# Altium PCB 10515.0462_全联供主板(2拼版)_V1.0.PcbDoc (part 8 of 18)
Units mm, origin at the board's own origin, x right, y up, seen from the top; angles counter-clockwise.
Board outline 282 x 198 mm, 2 copper layers (Top Layer, Bottom Layer); 716 components, 0 nets, 2364 pads, 1800 vias.
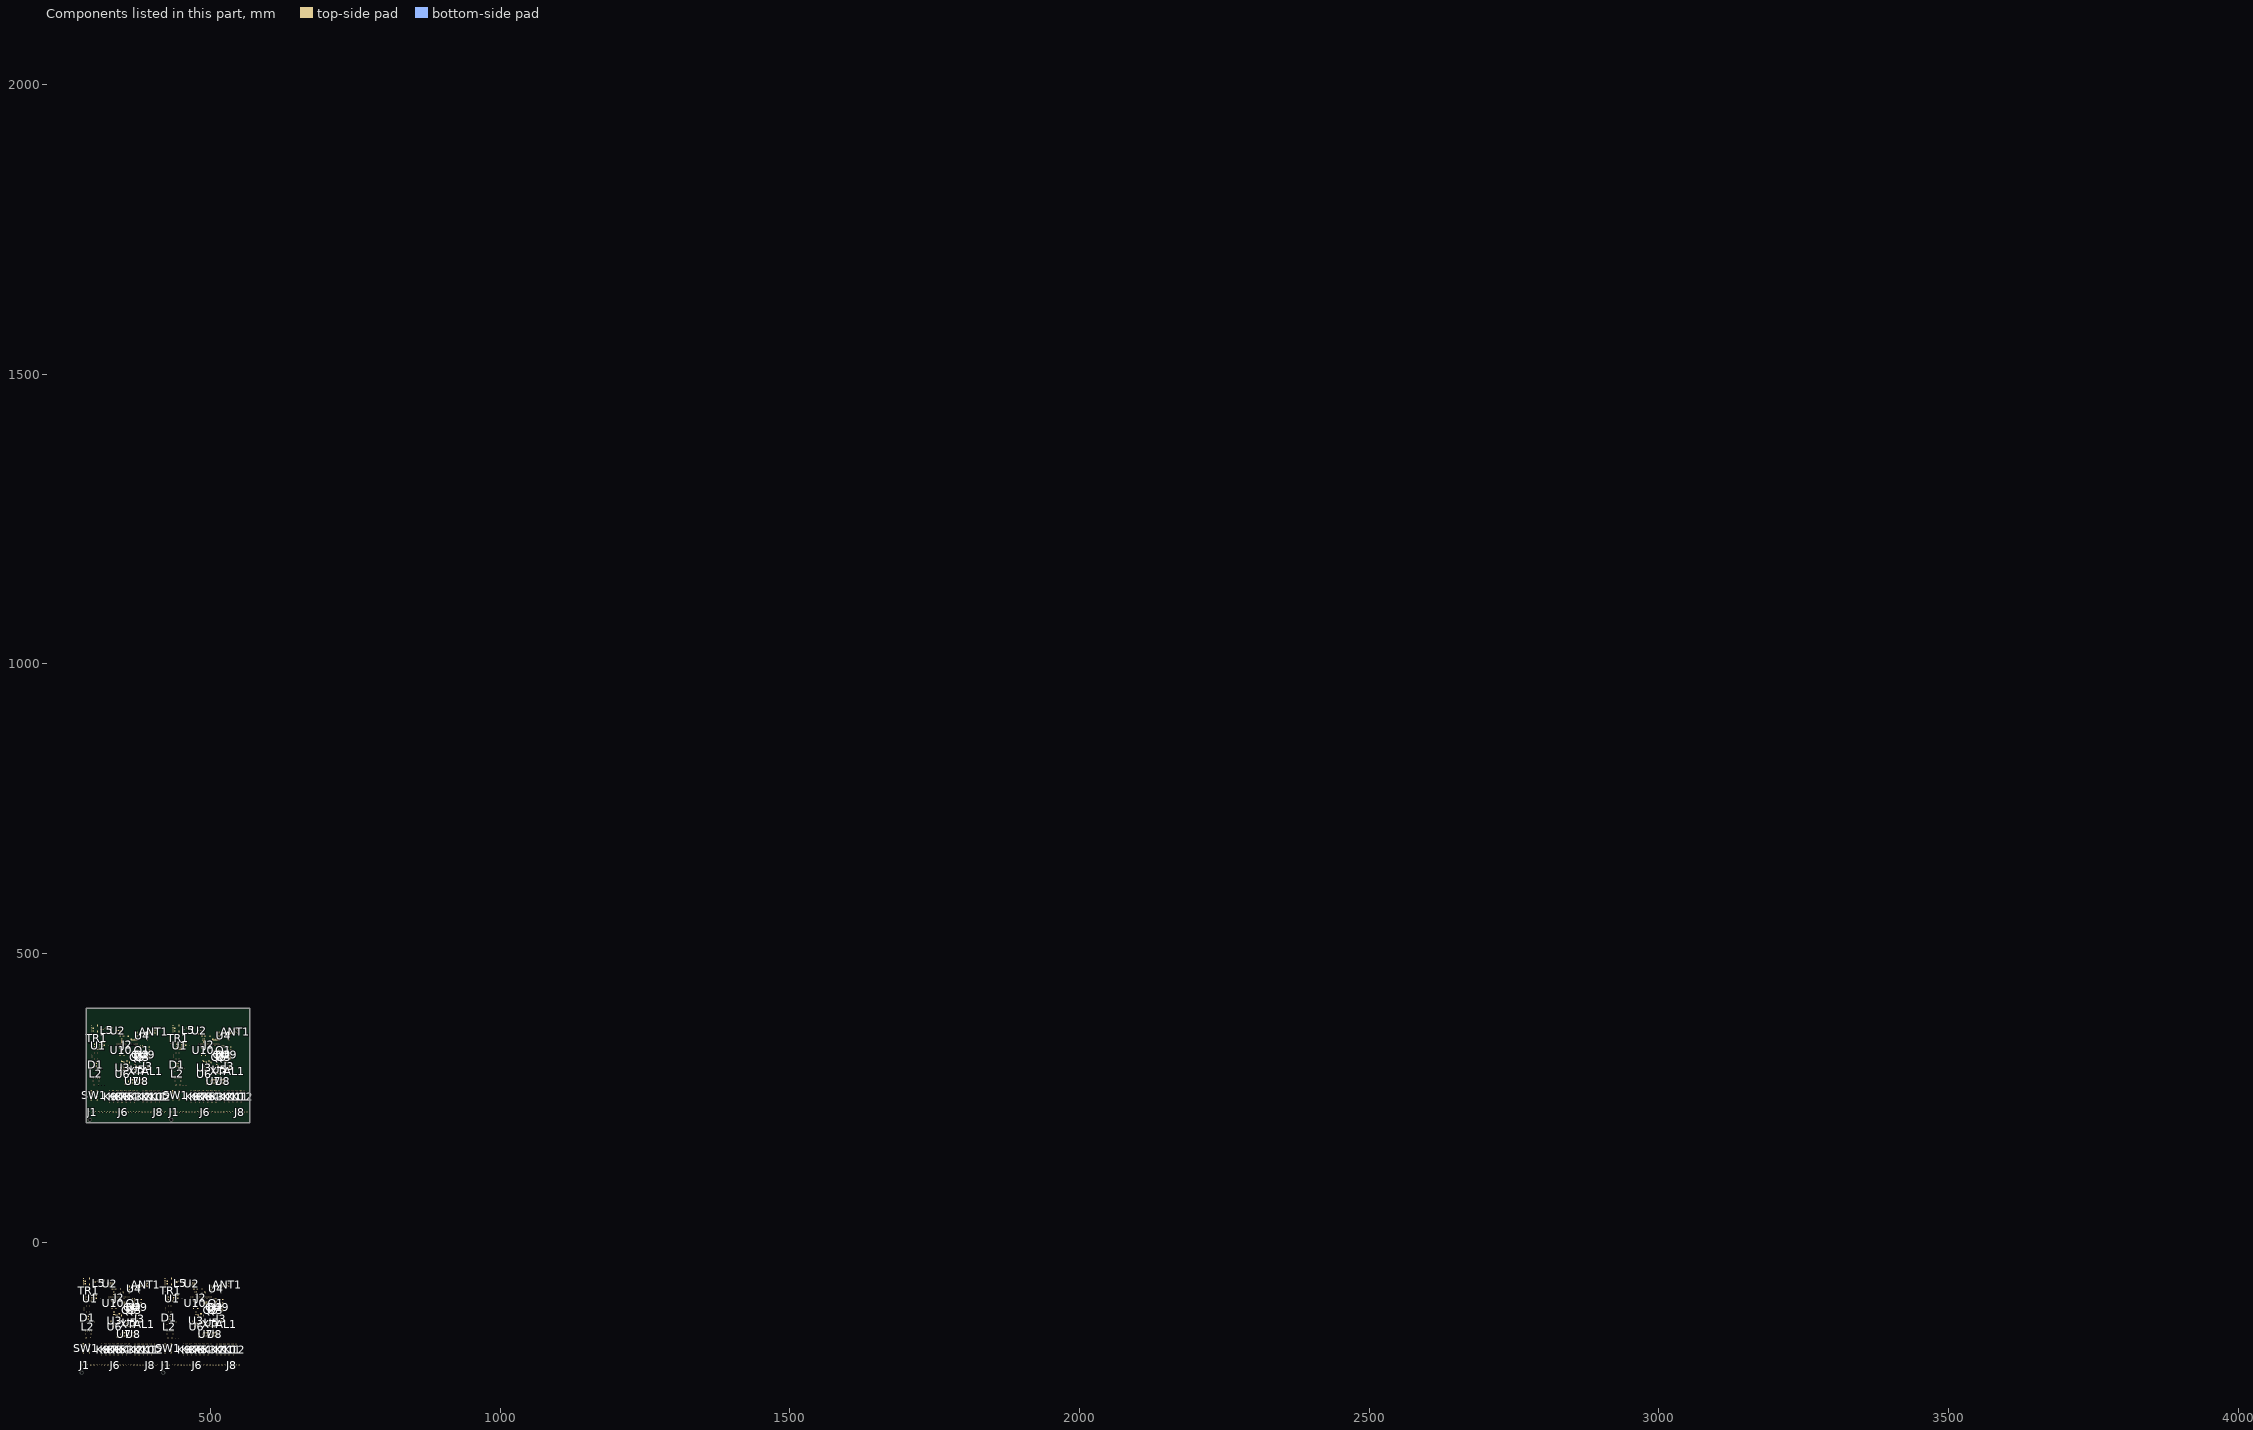
[diagram p8: the components of this part, seen from the top]

## Via types
v1: diameter 0.7, hole 0.4, Top Layer to Bottom Layer, tented both sides, 1800 vias

## Nets (pads, with @x,y where several pads share a name; then routed paths per layer and width w, separated by ;. In a path a pad name is that pad's centre, name@x,y a point inside that pad or via, vN(x,y) a via of type N, cw(c..) or ccw(c..) an arc to the next point about the centre after c; other vN are vias at no path point) (continued)
copper on no net: (continued)
  Top Layer w0.45: 524.977,-73.768 cw(c523.631,-72.858) v1@523.631,-74.482 ; 525.138,-173.772 cw(c526.042,-172.764) 524.687,-172.764 ; 525.228,320.25 cw(c524.918,319.941) 525.356,319.941 cw(c525.794,319.941) 525.484,320.25 ; 525.228,326.817 ccw(c524.918,327.127) 525.356,327.127 ccw(c525.794,327.127) 525.484,326.817 ; 525.349,-74.944 ccw(c524.479,-75.533) 524.479,-74.482 ccw(c524.479,-73.431) 525.349,-74.02 ; 525.917,-74.482 v1@523.631,-74.482 ; 525.991,297.303 527.608,297.303 527.999,297.693 527.999,299.132 528.448,299.582 ; 526.119,297.174 cw(c526.429,296.865) 526.429,297.303 cw(c526.429,297.741) 526.119,297.431 ; 526.512,297.303 ccw(c526.512,299.055) 527.751,297.816 ; 527.297,338.398 ccw(c527.297,340.869) 529.043,339.122 ; 527.742,-72.773 ccw(c525.736,-74.779) 525.736,-71.942 ccw(c525.736,-69.105) 527.742,-71.111 ; 527.751,294.821 cw(c526.786,293.855) 528.151,293.855 ; 527.751,298.066 ccw(c527.154,298.663) 527.999,298.663 ccw(c528.844,298.663) 528.246,298.066 ; 527.999,295.193 528.151,295.041 528.151,293.325 528.151,292.539 528.337,292.352 531.071,292.352 531.452,292.733 531.452,296.963 v1(531.418,296.996) 530.721,297.693 ; 527.999,298.151 cw(c529.842,298.151) 528.539,299.454 ; 527.999,298.973 cw(c528.427,298.973) 528.415,299.401 ; 527.999,299.237 cw(c528.755,299.237) 528.22,299.772 ; 528.023,293.197 cw(c527.713,292.887) 528.151,292.887 cw(c528.589,292.887) 528.279,293.197 ; 528.023,293.454 ccw(c527.713,293.763) 528.151,293.763 ccw(c528.589,293.763) 528.279,293.454 ; 528.06,-72.455 ccw(c526.822,-73.692) 526.822,-71.942 ccw(c526.822,-70.192) 528.06,-71.429 ; 528.074,299.207 ccw(c527.699,299.582) 528.229,299.582 ; v1(528.226,326.19) 529.082,326.19 ; 528.383,338.398 ccw(c528.383,339.782) 529.362,338.804 ; 528.523,338.398 cw(c528.523,337.663) 529.043,338.183 ; 528.751,303.075 ccw(c528.441,303.385) 528.879,303.385 ccw(c529.317,303.385) 529.008,303.075 ; 528.879,302.947 528.879,303.602 529.259,303.981 531.291,303.981 532.144,304.834 532.144,305.31 ; 528.954,326.061 ccw(c528.644,325.752) 528.644,326.19 ccw(c528.644,326.628) 528.954,326.318 ; 529.082,326.317 529.437,325.961 v1(533.513,325.961) v1@533.64,325.961 ; 529.21,326.28 ccw(c529.98,327.049) 529.98,325.961 ; 529.424,332.983 cw(c528.291,331.849) 529.894,331.849 cw(c531.497,331.849) 530.363,332.983 ; 529.443,333.94 ccw(c528.493,334.969) v1(529.894,334.969) ccw(c531.295,334.969) 530.344,333.94 ; 529.674,293.454 ccw(c529.364,293.763) 529.802,293.763 ccw(c530.24,293.763) 529.93,293.454 ; 529.751,298.066 ccw(c529.154,298.663) 529.999,298.663 ccw(c530.844,298.663) 530.246,298.066 ; 529.802,293.325 529.802,294.997 529.999,295.193 ; 529.802,293.749 cw(c531.318,293.749) 530.246,294.821 ; 529.894,331.285 529.894,333.452 v1(529.894,334.969) ; 529.894,331.992 ccw(c531.075,331.992) 530.24,331.157 ; 529.933,297.644 cw(c530.351,297.161) 530.802,297.612 ; 529.958,319.548 ccw(c528.412,321.095) 530.598,321.095 ; 529.989,297.668 cw(c530.133,296.21) 531.169,297.246 ; 529.999,298.993 cw(c530.65,298.993) 530.19,299.454 ; 530.086,319.382 530.598,319.894 530.598,322.246 ; 530.086,319.602 ccw(c530.086,320.132) 530.461,319.757 ; 530.099,299.582 529.999,299.481 529.999,297.693 530.721,297.693 ; 530.227,297.303 cw(c530.668,296.793) 531.145,297.27 ; 530.273,297.476 cw(c530.721,297.123) 530.721,297.693 ; 530.273,297.91 ccw(c530.721,298.264) 530.721,297.693 ; 530.276,319.23 ccw(c529.498,320.008) 530.598,320.008 ; 530.402,301.431 ccw(c530.092,301.741) 530.53,301.741 ccw(c530.968,301.741) 530.659,301.431 ; 530.402,302.819 cw(c530.092,302.509) 530.53,302.509 cw(c530.968,302.509) 530.659,302.819 ; 530.53,302.947 530.53,301.341 532.308,301.341 532.312,301.338 ; 530.598,325.961 530.598,328.342 ; 530.659,301.175 cw(c531.06,300.773) 531.06,301.341 ; 530.744,338.183 cw(c531.265,337.663) 531.265,338.398 ; 530.779,262.851 ccw(c530.1,263.712) 531.197,263.712 ; 530.905,338.861 ccw(c531.545,339.072) 531.545,338.398 ; 531.197,261.97 531.197,263.712 ; 531.322,-173.798 ccw(c530.169,-172.645) 531.799,-172.645 ccw(c533.429,-172.645) 532.276,-173.798 ; v1@531.33,296.908 cw(c531.034,296.613) 531.452,296.613 ; 531.506,319.548 ccw(c530.632,320.423) v1@531.868,320.423 ; 531.592,304.283 ccw(c531.12,304.755) 531.676,305.125 ; 531.615,262.851 cw(c532.294,263.712) 531.197,263.712 ; 531.634,319.382 531.868,319.616 v1(531.868,320.491) 531.868,322.246 ; 531.672,331.157 ccw(c531.363,331.467) 531.801,331.467 ccw(c532.239,331.467) 531.929,331.157 ; 531.709,301.341 cw(c531.709,300.773) 532.111,301.175 ; 531.71,330.901 cw(c531.329,330.52) 531.868,330.52 ; 531.801,331.029 531.801,338.143 531.545,338.398 ; 531.868,328.342 531.868,330.961 ; v1@531.937,320.594 533.138,320.594 533.138,322.246 ; v1@531.957,320.403 cw(c532.419,319.941) 532.419,320.594 ; 532.047,302.632 cw(c531.406,301.992) 532.312,301.992 cw(c533.217,301.992) 532.577,302.632 ; 532.187,301.431 ccw(c531.886,301.732) 532.312,301.732 ; 532.277,301.303 532.312,301.338 ; 532.312,301.75 ccw(c532.762,301.75) 532.444,301.431 ; 532.312,302.838 532.312,301.338 ; 533.005,336.938 ccw(c531.386,338.558) 533.675,338.631 ; 533.183,319.382 534.731,319.382 ; 533.196,331.157 ccw(c532.887,331.467) 533.325,331.467 ccw(c533.763,331.467) 533.453,331.157 ; 533.311,319.254 cw(c533.621,318.944) 533.621,319.382 cw(c533.621,319.82) 533.311,319.51 ; 533.325,331.029 533.325,331.793 532.815,332.302 532.815,336.747 534.72,338.652 ; 533.74,337.673 ccw(c532.809,338.603) 534.125,338.646 ; 533.856,337.788 cw(c534.339,337.305) 534.339,337.988 ; 533.923,339.17 ccw(c533.012,340.303) 534.466,340.303 ; 533.928,301.303 534.318,301.303 535.912,302.897 535.912,305.078 536.144,305.31 ; 533.966,301.484 ccw(c533.966,302.771) 534.876,301.861 ; 534.303,333.969 ccw(c533.597,334.842) v1(534.72,334.842) ccw(c535.843,334.842) 535.137,333.969 ; 534.408,319.44 534.408,322.246 ; 534.408,320.638 ccw(c535.949,320.638) 534.86,319.548 ; 534.408,324.539 v1(534.408,326.841) ; 534.466,339.949 ccw(c535.635,339.949) 534.808,339.122 ; 534.603,319.254 ccw(c534.293,318.944) 534.293,319.382 ccw(c534.293,319.82) 534.603,319.51 ; 534.72,333.452 v1(534.72,334.842) ; 534.885,330.901 cw(c533.445,329.461) 535.482,329.461 ; 534.93,301.915 ccw(c533.949,302.897) 535.337,302.897 ; 534.976,331.029 535.482,330.523 535.482,326.206 v1(535.228,325.952) ; 535.003,330.848 cw(c534.972,330.339) 535.482,330.339 ; v1@535.14,326.041 ccw(c534.313,326.867) 535.482,326.867 ; 535.195,331.029 ccw(c535.725,331.029) 535.35,330.654 ; 535.204,331.219 cw(c534.532,330.547) 535.482,330.547 ; 535.647,303.162 ccw(c535.006,303.802) 535.912,303.802 ccw(c536.817,303.802) 536.177,303.162 ; 535.746,305.039 cw(c535.346,304.639) 535.912,304.639 ; 535.912,303.519 cw(c538.062,303.519) 536.541,305.039 ; 535.912,304.606 cw(c536.975,304.606) 536.223,305.358 ; 536.042,364.82 536.208,364.654 542.201,364.654 ; 536.311,364.538 cw(c536.59,364.259) 536.59,364.654 ; 536.311,364.795 ccw(c536.651,365.135) 536.651,364.654 ; 537.865,262.823 ccw(c536.961,263.832) 538.316,263.832 ; 538.316,261.97 538.316,263.832 ; 538.561,-173.798 ccw(c537.408,-172.645) 539.038,-172.645 ccw(c540.668,-172.645) 539.515,-173.798 ; 538.605,361.399 ccw(c537.26,360.49) v1@537.26,362.114 ; 538.605,362.828 cw(c537.26,363.738) v1@537.26,362.114 ; 538.766,262.823 cw(c539.671,263.832) 538.316,263.832 ; 538.978,361.651 ccw(c538.108,361.063) 538.108,362.114 ccw(c538.108,363.164) 538.978,362.576 ; 539.546,362.114 v1@537.26,362.114 ; 541.371,363.823 ccw(c539.365,361.817) 539.365,364.654 ccw(c539.365,367.49) 541.371,365.484 ; 541.689,364.141 ccw(c540.451,362.903) 540.451,364.654 ccw(c540.451,366.404) 541.689,365.166 ; 544.95,262.798 ccw(c543.798,263.95) 545.428,263.95 ccw(c547.057,263.95) 545.905,262.798 ; 552.189,262.798 ccw(c551.037,263.95) 552.667,263.95 ccw(c554.296,263.95) 553.144,262.798 ; 321.544,-71.781 321.925,-71.781 ; 321.544,-71.781 321.544,-71.219 321.598,-71.273 322.433,-71.273 ; 321.925,-71.781 322.433,-71.273 ; 322.433,-71.273 cw(c322.433,-70.843) 322.012,-70.93 ccw(c322.433,-70.843) 322.433,-71.273 ; 322.433,-71.273 v1@322.814,-71.273 ; 335.173,364.814 335.554,364.814 ; 335.173,364.814 335.173,365.377 335.227,365.322 336.062,365.322 ; 335.554,364.814 336.062,365.322 ; 336.062,365.322 cw(c336.062,365.753) 335.64,365.665 ccw(c336.062,365.753) 336.062,365.322 ; 336.062,365.322 v1@336.443,365.322 ; 345.683,-158.635 346.309,-158.635 ; 345.86,-156.984 346.343,-156.501 346.343,-156.236 ; 345.86,-156.984 344.488,-156.984 344.756,-157.252 359.009,-157.252 ; 345.86,-156.984 359.982,-156.984 ; 346.309,-158.635 359.982,-158.635 360.406,-158.635 ; 355.233,-174.116 354.597,-174.752 355.233,-174.116 ; 355.233,-174.116 355.233,-171.222 ; 359.009,-157.252 361.086,-157.252 361.71,-156.628 ; 359.009,-157.252 359.714,-157.252 359.982,-156.984 ; 359.311,277.96 359.938,277.96 ; 359.489,279.611 359.972,280.094 359.972,280.359 ; 359.489,279.611 358.117,279.611 358.385,279.343 372.638,279.343 ; 359.489,279.611 373.611,279.611 ; 359.938,277.96 373.611,277.96 374.035,277.96 ; 359.982,-156.984 360.787,-156.984 ; 360.113,-158.76 cw(c360.406,-159.04) 360.406,-158.635 ; 360.113,-158.76 cw(c360.406,-159.04) 360.406,-158.635 ; 360.113,-158.76 cw(c360.406,-159.04) 360.406,-158.635 ; 360.113,-158.51 ccw(c360.406,-158.23) 360.406,-158.635 ; 360.113,-158.51 ccw(c360.406,-158.23) 360.406,-158.635 ; 360.113,-158.51 ccw(c360.406,-158.23) 360.406,-158.635 ; 360.42,-158.635 ccw(c360.42,-159.073) 360.11,-158.763 cw(c360.42,-159.073) 360.42,-158.635 ; 360.42,-158.635 cw(c360.42,-158.197) 360.11,-158.507 ccw(c360.42,-158.197) 360.42,-158.635 ; 360.787,-156.984 361.354,-156.984 361.71,-156.628 ; 368.862,262.479 368.226,261.843 368.862,262.479 ; 368.862,262.479 368.862,265.373 ; 372.638,279.343 374.715,279.343 375.339,279.967 ; 372.638,279.343 373.343,279.343 373.611,279.611 ; 373.611,279.611 374.416,279.611 ; 373.742,277.835 cw(c374.035,277.555) 374.035,277.96 ; 373.742,277.835 cw(c374.035,277.555) 374.035,277.96 ; 373.742,277.835 cw(c374.035,277.555) 374.035,277.96 ; 373.742,278.086 ccw(c374.035,278.365) 374.035,277.96 ; 373.742,278.086 ccw(c374.035,278.365) 374.035,277.96 ; 373.742,278.086 ccw(c374.035,278.365) 374.035,277.96 ; 374.049,277.96 ccw(c374.049,277.523) 373.739,277.832 cw(c374.049,277.523) 374.049,277.96 ; 374.049,277.96 cw(c374.049,278.398) 373.739,278.089 ccw(c374.049,278.398) 374.049,277.96 ; 374.416,279.611 374.983,279.611 375.339,279.967 ; 462.544,-71.781 462.925,-71.781 ; 462.544,-71.781 462.544,-71.219 462.598,-71.273 463.433,-71.273 ; 462.925,-71.781 463.433,-71.273 ; 463.433,-71.273 cw(c463.433,-70.843) 463.012,-70.93 ccw(c463.433,-70.843) 463.433,-71.273 ; 463.433,-71.273 v1@463.814,-71.273 ; 476.173,364.814 476.554,364.814 ; 476.173,364.814 476.173,365.377 476.227,365.322 477.062,365.322 ; 476.554,364.814 477.062,365.322 ; 477.062,365.322 cw(c477.062,365.753) 476.64,365.665 ccw(c477.062,365.753) 477.062,365.322 ; 477.062,365.322 v1@477.443,365.322 ; 486.683,-158.635 487.309,-158.635 ; 486.86,-156.984 487.343,-156.501 487.343,-156.236 ; 486.86,-156.984 485.488,-156.984 485.756,-157.252 500.009,-157.252 ; 486.86,-156.984 500.982,-156.984 ; 487.309,-158.635 500.982,-158.635 501.406,-158.635 ; 496.233,-174.116 495.597,-174.752 496.233,-174.116 ; 496.233,-174.116 496.233,-171.222 ; 500.009,-157.252 502.086,-157.252 502.71,-156.628 ; 500.009,-157.252 500.714,-157.252 500.982,-156.984 ; 500.311,277.96 500.938,277.96 ; 500.489,279.611 500.972,280.094 500.972,280.359 ; 500.489,279.611 499.117,279.611 499.385,279.343 513.638,279.343 ; 500.489,279.611 514.611,279.611 ; 500.938,277.96 514.611,277.96 515.035,277.96 ; 500.982,-156.984 501.787,-156.984 ; 501.113,-158.76 cw(c501.406,-159.04) 501.406,-158.635 ; 501.113,-158.76 cw(c501.406,-159.04) 501.406,-158.635 ; 501.113,-158.76 cw(c501.406,-159.04) 501.406,-158.635 ; 501.113,-158.51 ccw(c501.406,-158.23) 501.406,-158.635 ; 501.113,-158.51 ccw(c501.406,-158.23) 501.406,-158.635 ; 501.113,-158.51 ccw(c501.406,-158.23) 501.406,-158.635 ; 501.42,-158.635 ccw(c501.42,-159.073) 501.11,-158.763 cw(c501.42,-159.073) 501.42,-158.635 ; 501.42,-158.635 cw(c501.42,-158.197) 501.11,-158.507 ccw(c501.42,-158.197) 501.42,-158.635 ; 501.787,-156.984 502.354,-156.984 502.71,-156.628 ; 509.862,262.479 509.226,261.843 509.862,262.479 ; 509.862,262.479 509.862,265.373 ; 513.638,279.343 515.715,279.343 516.339,279.967 ; 513.638,279.343 514.343,279.343 514.611,279.611 ; 514.611,279.611 515.416,279.611 ; 514.742,277.835 cw(c515.035,277.555) 515.035,277.96 ; 514.742,277.835 cw(c515.035,277.555) 515.035,277.96 ; 514.742,277.835 cw(c515.035,277.555) 515.035,277.96 ; 514.742,278.086 ccw(c515.035,278.365) 515.035,277.96 ; 514.742,278.086 ccw(c515.035,278.365) 515.035,277.96 ; 514.742,278.086 ccw(c515.035,278.365) 515.035,277.96 ; 515.049,277.96 ccw(c515.049,277.523) 514.739,277.832 cw(c515.049,277.523) 515.049,277.96 ; 515.049,277.96 cw(c515.049,278.398) 514.739,278.089 ccw(c515.049,278.398) 515.049,277.96 ; 515.416,279.611 515.983,279.611 516.339,279.967
  Top Layer w0.5: 330.801,-72.415 330.801,-70.804 332.198,-70.804 ; 344.43,364.181 344.43,365.791 345.827,365.791 ; 369.345,-135.237 ccw(c369.456,-134.63) 369.892,-135.066 ; 369.407,-134.937 370.021,-134.937 370.566,-134.392 v1(370.566,-128.169) ; 369.435,-134.745 ccw(c369.664,-133.49) 370.566,-134.392 ; 382.974,301.359 ccw(c383.085,301.965) 383.521,301.529 ; 383.036,301.659 383.65,301.659 384.195,302.203 v1(384.195,308.426) ; 383.064,301.851 ccw(c383.293,303.105) 384.195,302.203 ; 471.801,-72.415 471.801,-70.804 473.198,-70.804 ; 485.43,364.181 485.43,365.791 486.827,365.791 ; 510.345,-135.237 ccw(c510.456,-134.63) 510.892,-135.066 ; 510.407,-134.937 511.021,-134.937 511.566,-134.392 v1(511.566,-128.169) ; 510.435,-134.745 ccw(c510.664,-133.49) 511.566,-134.392 ; 523.974,301.359 ccw(c524.085,301.965) 524.521,301.529 ; 524.036,301.659 524.65,301.659 525.195,302.203 v1(525.195,308.426) ; 524.064,301.851 ccw(c524.293,303.105) 525.195,302.203